# Altium PCB T1_Card.PcbDoc (part 5 of 6) (continued)
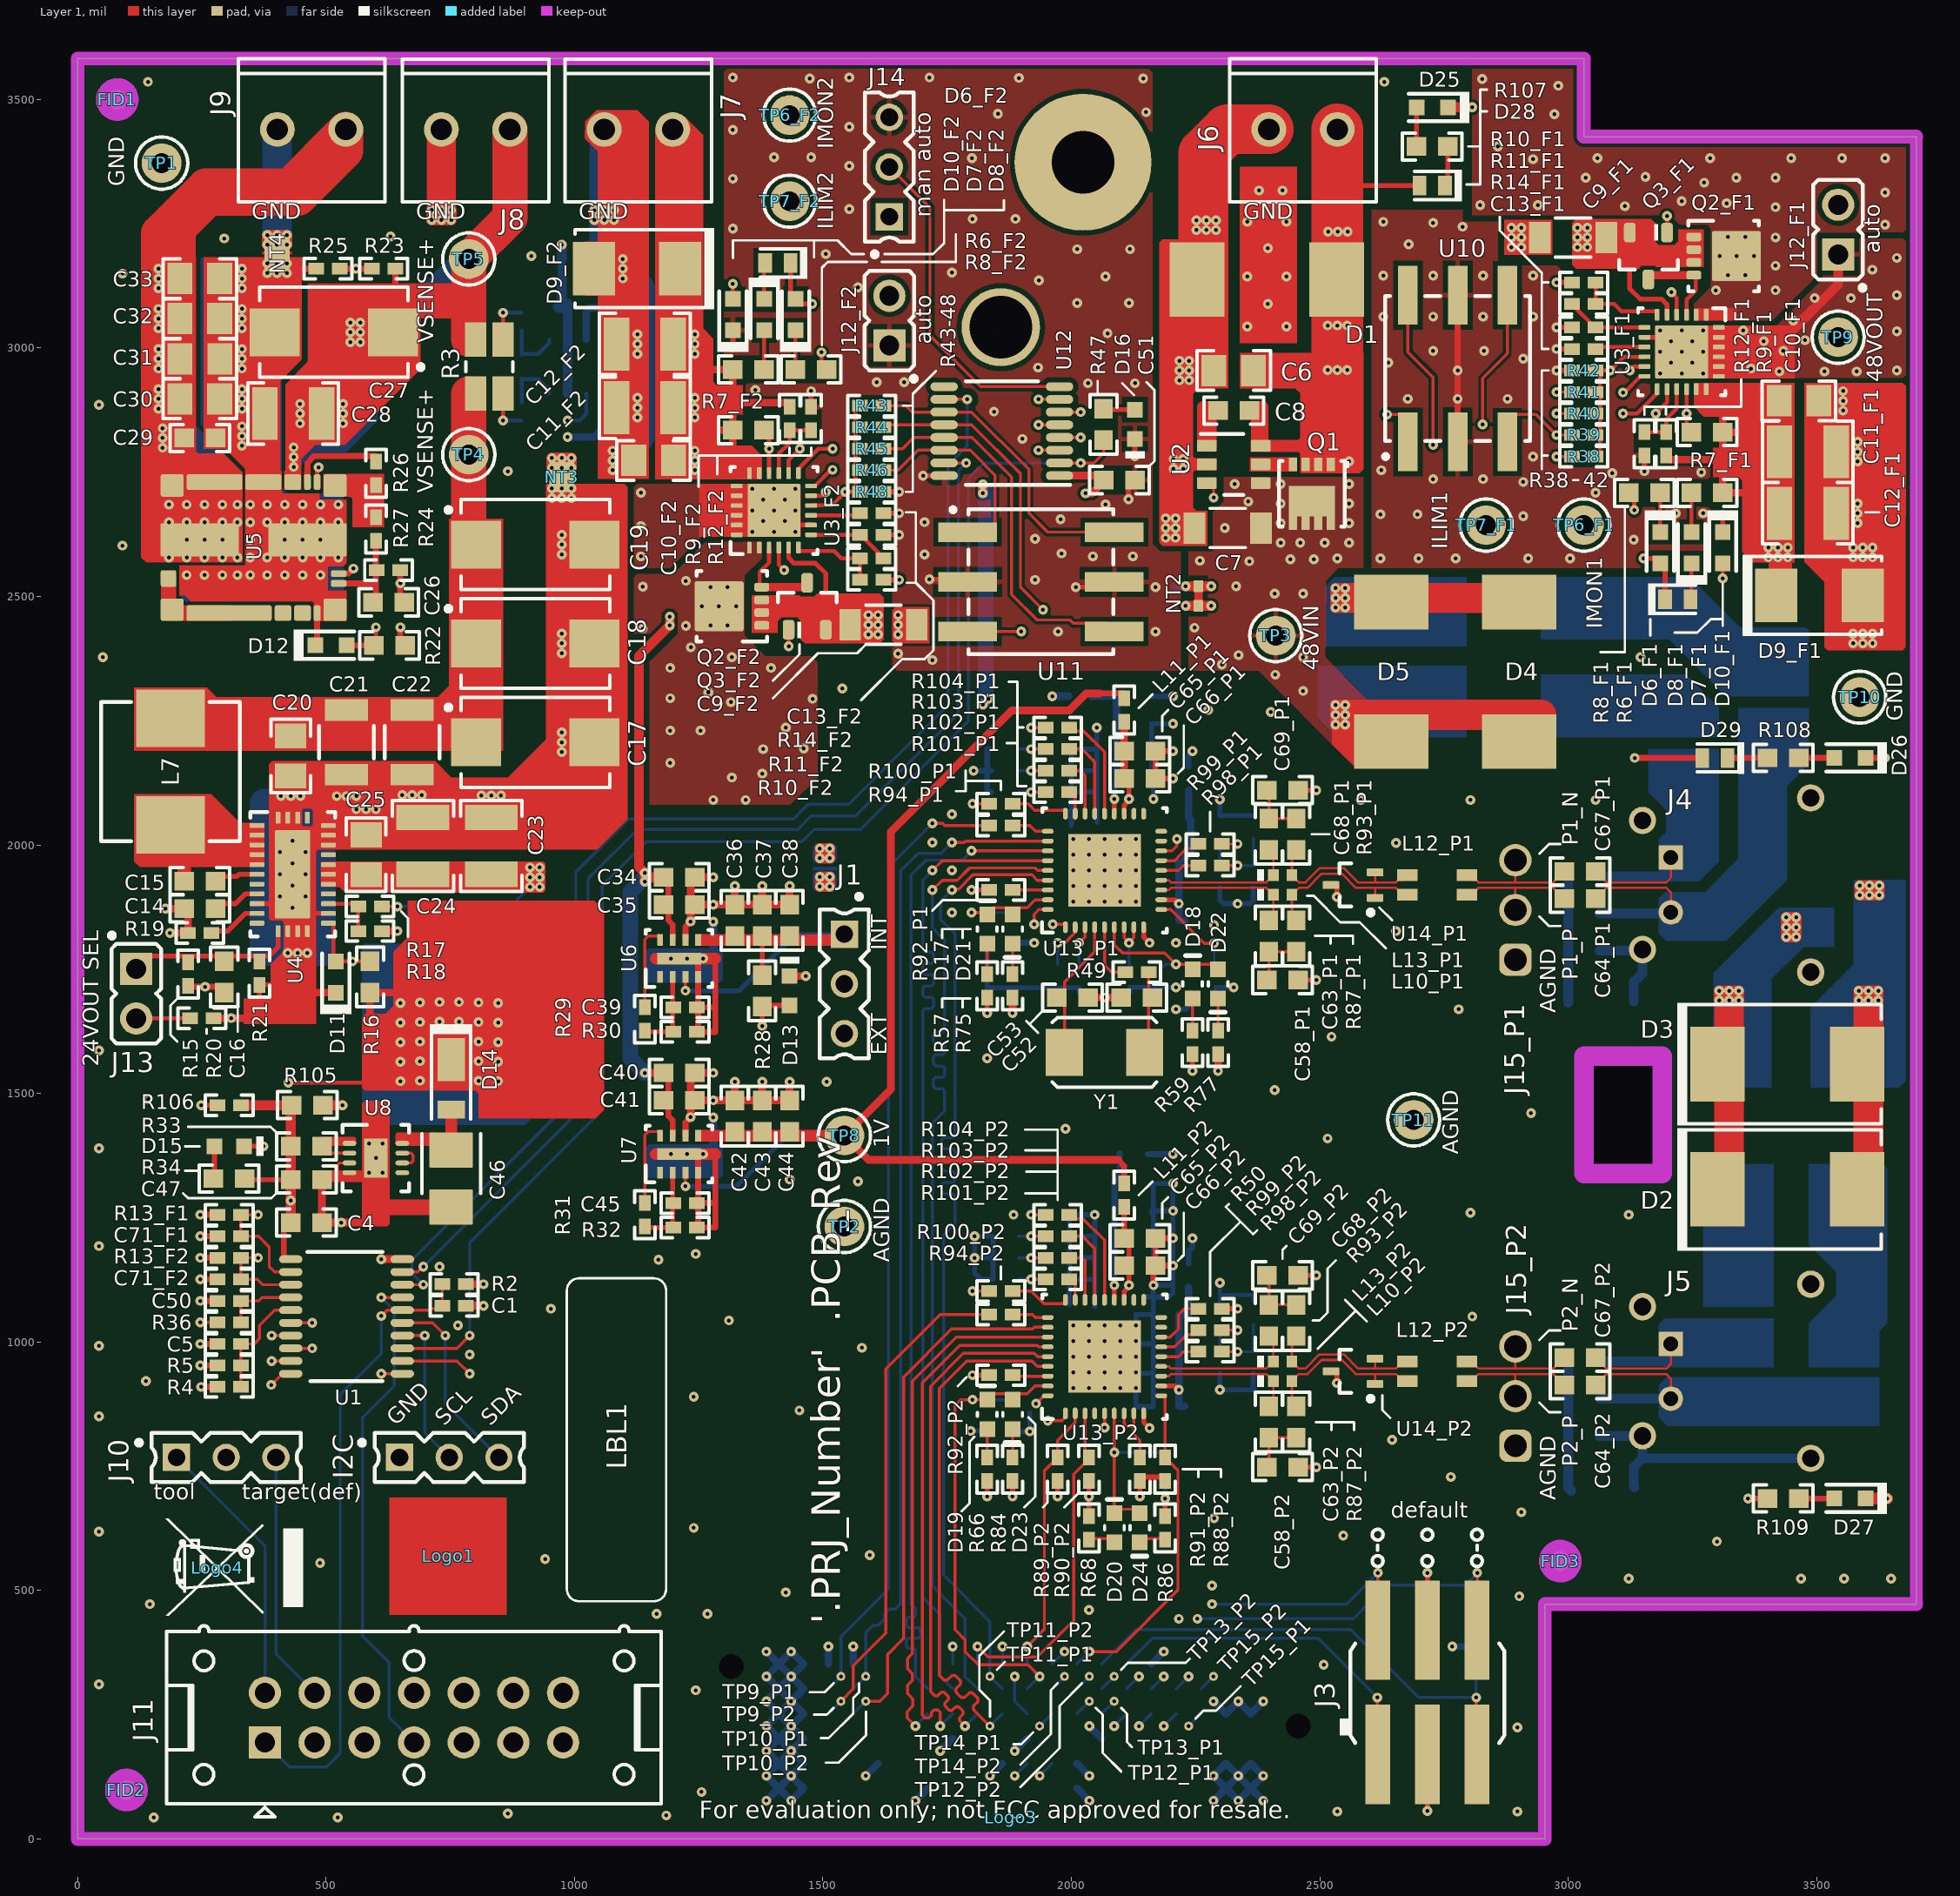
[diagram p0: Layer 1 view]
## Nets (pads, with @x,y where several pads share a name; then routed paths per layer and width w, separated by ;. In a path a pad name is that pad's centre, name@x,y a point inside that pad or via, vN(x,y) a via of type N, cw(c..) or ccw(c..) an arc to the next point about the centre after c; other vN are vias at no path point) (continued)
  Layer 6 w6: R62.1@1893.7,1125.98 v1(1919.29,1125.98) R80.2@1948.82,1125.98 R80.2@1952.76,1125.98 ; J2.17@2261.22,302 TP15_P2.1@2286.22,327
PRU0_MII_RX_D1_1: J2.22 R54.1 R72.2 R102_P1.1 | length 2637.7
  Layer 1 w6: v1(1919.29,2149.61) R102_P1.1@1948.82,2149.61
  Layer 3 w4.55: v1(1919.29,2149.61) 1793.31,2023.62 1751.97,2023.62 1740.16,2011.81 1740.16,1997.05 1677.17,1934.06 1677.17,357.28 1778.54,255.91 1941.93,255.91 2011.81,186.02 2145.24,186.02 v1(2186.22,227)
  Layer 6 w6: R54.1@1893.7,2149.61 v1(1919.29,2149.61) R72.2@1952.76,2149.61 ; v1(2186.22,227) J2.22@2211.22,252
PRU0_MII_RX_D1_2: J2.23 R63.1 R81.2 R102_P2.1 | length 1292.6
  Layer 1 w6: v1(1919.29,1169.29) R102_P2.1@1948.82,1169.29
  Layer 3 w4.55: v1(1919.29,1169.29) 1882.87,1132.87 1882.87,770.67 1922.24,731.3 1922.24,639.76 1939.47,622.54 1941.52,620.49 ccw(c1946.3,625.27) 1951.08,620.49 1954.25,623.67 cw(c1959.03,618.89) 1963.81,623.67 1967.91,619.57 cw(c1963.13,614.79) 1967.91,610.01 1964.73,606.83 ccw(c1969.51,602.05) 1964.73,597.27 1968.83,593.18 ccw(c1973.61,597.96) 1978.39,593.18 1981.57,596.35 cw(c1986.35,591.57) 1991.13,596.35 1995.22,592.25 cw(c1990.44,587.47) 1995.22,582.69 1992.05,579.52 ccw(c1996.83,574.74) 1992.05,569.96 1996.14,565.86 ccw(c2000.92,570.64) 2005.7,565.86 2008.88,569.04 cw(c2013.66,564.26) 2018.44,569.04 2022.54,564.94 cw(c2017.76,560.16) 2022.54,555.38 2019.36,552.21 ccw(c2024.14,547.43) 2019.36,542.65 2023.46,538.55 ccw(c2028.24,543.33) 2033.02,538.55 2036.19,541.72 cw(c2040.97,536.94) 2045.75,541.72 2049.85,537.63 cw(c2045.07,532.85) 2049.85,528.07 2046.68,524.89 ccw(c2051.46,520.11) 2046.68,515.33 2050.77,511.23 ccw(c2055.55,516.02) 2060.33,511.24 2063.51,514.41 cw(c2068.29,509.63) 2073.07,514.41 2077.16,510.31 cw(c2072.38,505.53) 2077.16,500.75 2073.99,497.58 ccw(c2078.77,492.8) 2073.99,488.02 2078.09,483.92 ccw(c2082.87,488.7) 2087.65,483.92 2090.82,487.1 cw(c2095.6,482.32) 2100.38,487.1 2104.48,483 cw(c2099.7,478.22) 2104.48,473.44 2101.3,470.26 ccw(c2106.08,465.48) 2101.3,460.7 2121.06,440.94 2158.46,403.54 2189.96,403.54 2212.83,380.68 2212.83,350.39 v1(2236.22,327)
  Layer 6 w6: R63.1@1893.7,1169.29 v1(1919.29,1169.29) R81.2@1948.82,1169.29 R81.2@1952.76,1169.29 ; J2.23@2211.22,302 v1(2236.22,327)
PRU0_MII_RX_D2_1: J2.28 R55.1 R73.2 R103_P1.1 | length 2583.7
  Layer 1 w6: v1(1919.29,2192.91) R103_P1.1@1948.82,2192.91
  Layer 3 w4.55: v1(1919.29,2192.91) 1943.9,2168.31 1943.9,2101.38 1802.66,1960.14 1792.82,1960.14 1784.45,1951.77 1784.45,1941.93 1771.65,1929.13 1750,1929.13 1740.16,1919.29 1740.16,1887.8 1708.66,1856.3 1708.66,366.14 1788.39,286.42 1947.83,286.42 2026.57,207.68 2047.24,207.68 2054.13,214.57 2064.85,214.57 2071.74,207.68 2116.9,207.68 v1(2136.22,227)
  Layer 6 w6: R55.1@1893.7,2192.91 v1(1919.29,2192.91) R73.2@1952.76,2192.91 ; v1(2136.22,227) J2.28@2161.22,252
PRU0_MII_RX_D2_2: J2.29 R64.1 R82.2 R103_P2.1 | length 1240.7
  Layer 1 w6: v1(1919.29,1212.6) R103_P2.1@1948.82,1212.6
  Layer 3 w4.55: v1(1919.29,1212.6) 1869.09,1162.4 1869.09,745.08 1902.56,711.61 1902.56,627.95 2058.07,472.44 2058.07,455.15 2074.52,438.7 2081.35,431.87 2091.84,421.39 cw(c2088.66,418.21) 2091.84,415.04 ccw(c2096.62,410.26) 2091.84,405.48 2095.93,401.38 ccw(c2100.71,406.16) 2105.49,401.38 2108.67,404.55 2114.86,410.74 cw(c2119.64,405.96) 2124.42,410.74 2128.51,406.65 cw(c2123.73,401.87) 2128.51,397.09 2122.32,390.9 2119.15,387.73 ccw(c2123.93,382.95) 2119.15,378.17 2123.25,374.07 ccw(c2128.03,378.85) 2132.81,374.07 2135.98,377.24 2142.17,383.43 cw(c2146.95,378.65) 2151.73,383.43 2155.83,379.33 cw(c2151.05,374.55) 2155.83,369.77 2154.42,368.36 ccw(c2159.2,363.58) 2154.42,358.8 2173.44,339.78 v1(2186.22,327)
  Layer 6 w6: R64.1@1893.7,1212.6 v1(1919.29,1212.6) R82.2@1948.82,1212.6 R82.2@1952.76,1212.6 ; J2.29@2161.22,302 v1(2186.22,327)
PRU0_MII_RX_D3_1: J2.34 R104_P1.1 | length 2476.7
  Layer 1 w6: v1(1919.29,2236.22) R104_P1.1@1948.82,2236.22
  Layer 3 w4.55: v1(1919.29,2236.22) 1957.68,2197.83 1957.68,2095.47 1779.53,1917.32 1779.53,1850.39 1724.41,1795.28 1724.41,371.06 1794.29,301.18 1957.68,301.18 1965.55,293.31 1976.38,293.31 1981.3,288.39 1981.3,277.56 1986.22,272.64 1997.05,272.64 2002.95,266.73 2002.95,255.91 2011.81,247.05 2066.17,247.05 v1(2086.22,227)
  Layer 6 w6: v1(2086.22,227) J2.34@2111.22,252
PRU0_MII_RX_D3_2: J2.35 R104_P2.1 | length 1135.8
  Layer 1 w6: v1(1919.29,1255.91) R104_P2.1@1948.82,1255.91
  Layer 3 w4.55: v1(1919.29,1255.91) 1856.3,1192.91 1856.3,606.92 v1(2136.22,327)
  Layer 6 w6: J2.35@2111.22,302 v1(2136.22,327)
PRU0_MII_RXDV1: J2.40 R51.1 R69.2 R99_P1.1 TP13_P1.1 | length 2678.5
  Layer 1 w6: R99_P1.1@2303.15,2001.97 v1(2334.65,2001.97)
  Layer 3 w4.55: TP13_P1.1@2086.22,277 2094.5,268.72 2098.46,264.76 2145.67,264.76 2154.53,273.62 2238.19,273.62 2270.67,241.14 2330.71,241.14 2355.32,265.75 2355.32,302.17 2368.11,314.96 2368.11,1132.87 2349.41,1151.57 2349.41,1162.4 2349.41,1168.46 ccw(c2343.35,1168.46) 2343.35,1174.52 2340.03,1174.52 cw(c2340.03,1180.58) 2333.97,1180.58 2333.97,1192.7 cw(c2340.03,1192.7) 2340.03,1198.75 2349.41,1198.75 2360.76,1198.75 ccw(c2360.76,1204.81) 2366.82,1204.81 2366.82,1216.93 ccw(c2360.76,1216.93) 2360.76,1222.99 2349.41,1222.99 2340.03,1222.99 cw(c2340.03,1229.05) 2333.97,1229.05 2333.97,1241.17 cw(c2340.03,1241.17) 2340.03,1247.23 2349.41,1247.23 2360.76,1247.23 ccw(c2360.76,1253.28) 2366.82,1253.28 2366.82,1265.4 ccw(c2360.76,1265.4) 2360.76,1271.46 2349.41,1271.46 2340.03,1271.46 cw(c2340.03,1277.52) 2333.97,1277.52 2333.97,1289.64 cw(c2340.03,1289.64) 2340.03,1295.7 2349.41,1295.7 2360.76,1295.7 ccw(c2360.76,1301.75) 2366.82,1301.75 2366.82,1313.87 ccw(c2360.76,1313.87) 2360.76,1319.93 2349.41,1319.93 2340.03,1319.93 cw(c2340.03,1325.99) 2333.97,1325.99 2333.97,1338.11 cw(c2340.03,1338.11) 2340.03,1344.17 2349.41,1344.17 2360.76,1344.17 ccw(c2360.76,1350.23) 2366.82,1350.23 2366.82,1362.34 ccw(c2360.76,1362.34) 2360.76,1368.4 2349.41,1368.4 2340.03,1368.4 cw(c2340.03,1374.46) 2333.97,1374.46 2333.97,1386.58 cw(c2340.03,1386.58) 2340.03,1392.64 2349.41,1392.64 2360.76,1392.64 ccw(c2360.76,1398.7) 2366.82,1398.7 2366.82,1410.81 ccw(c2360.76,1410.81) 2360.76,1416.87 2349.41,1416.87 2340.03,1416.87 cw(c2340.03,1422.93) 2333.97,1422.93 2333.97,1435.05 cw(c2340.03,1435.05) 2340.03,1441.11 2349.41,1441.11 2360.76,1441.11 ccw(c2360.76,1447.17) 2366.82,1447.17 2366.82,1459.29 ccw(c2360.76,1459.29) 2360.76,1465.34 2349.41,1465.34 2340.03,1465.34 cw(c2340.03,1471.4) 2333.97,1471.4 2333.97,1483.52 cw(c2340.03,1483.52) 2340.03,1489.58 2349.41,1489.58 2360.76,1489.58 ccw(c2360.76,1495.64) 2366.82,1495.64 2366.82,1507.76 ccw(c2360.76,1507.76) 2360.76,1513.81 2349.41,1513.81 2340.03,1513.81 cw(c2340.03,1519.87) 2333.97,1519.87 2333.97,1531.99 cw(c2340.03,1531.99) 2340.03,1538.05 2349.41,1538.05 2360.76,1538.05 ccw(c2360.76,1544.11) 2366.82,1544.11 2366.82,1556.23 ccw(c2360.76,1556.23) 2360.76,1562.29 2349.41,1562.29 2340.03,1562.29 cw(c2340.03,1568.34) 2333.97,1568.34 2333.97,1580.46 cw(c2340.03,1580.46) 2340.03,1586.52 2343.35,1586.52 ccw(c2343.35,1592.58) 2349.41,1592.58 2349.41,1699.8 2349.41,1812.01 2313.98,1847.44 2313.98,1981.3 v1(2334.65,2001.97)
  Layer 6 w6: J2.40@2061.22,252 TP13_P1.1@2086.22,277 ; R69.2@2299.21,1962.6 2299.21,2001.97 v1(2334.65,2001.97)
PRU0_MII_RXDV2: J2.41 R60.1 R78.2 R99_P2.1 TP13_P2.1 | length 1333.7
  Layer 1 w6: R99_P2.1@2303.15,1023.62 v1(2334.65,1023.62)
  Layer 3 w4.55: TP13_P2.1@2086.22,327 2108.04,327 2126.54,308.5 2298.66,308.5 2311.02,320.87 2311.02,343.5 2303.15,351.38 2303.15,371.06 2311.02,378.94 2311.02,391.73 2304.13,398.62 2304.13,418.31 2311.02,425.2 2311.02,536.42 2257.87,589.57 2257.87,624.02 2257.87,628.86 ccw(c2250.6,628.86) 2250.6,636.13 2239.86,636.13 cw(c2239.86,643.4) 2232.59,643.4 2232.59,653.1 cw(c2239.86,653.1) 2239.86,660.37 2257.87,660.37 2267.03,660.37 ccw(c2267.03,667.64) 2274.3,667.64 2274.3,677.33 ccw(c2267.03,677.33) 2267.03,684.6 2257.87,684.6 2239.86,684.6 cw(c2239.86,691.87) 2232.59,691.87 2232.59,701.57 cw(c2239.86,701.57) 2239.86,708.84 2257.87,708.84 2267.03,708.84 ccw(c2267.03,716.11) 2274.3,716.11 2274.3,725.8 ccw(c2267.03,725.8) 2267.03,733.07 2257.87,733.08 2239.86,733.08 cw(c2239.86,740.35) 2232.59,740.35 2232.59,750.04 cw(c2239.86,750.04) 2239.86,757.31 2250.6,757.31 ccw(c2250.6,764.58) 2257.87,764.58 2257.87,795.28 2257.87,827.76 2318.9,888.78 2318.9,929.13 2312.01,936.02 2312.01,1000.98 v1(2334.65,1023.62)
  Layer 6 w6: J2.41@2061.22,302 TP13_P2.1@2086.22,327 ; R78.2@2299.21,984.25 2299.21,1023.62 v1(2334.65,1023.62)
PRU0_MII_RXER1: J2.46 R52.1 R70.2 R98_P1.1 TP12_P1.1 | length 2692.6
  Layer 1 w6: R98_P1.1@2305.12,1958.66 v1(2334.65,1958.66)
  Layer 3 w4.55: TP12_P1.1@2036.22,277 2055.68,277 2081.69,250.98 2150.59,250.98 2159.45,259.84 2231.3,259.84 2263.78,227.36 2339.57,227.36 2367.13,254.92 2367.13,289.37 2381.89,304.13 2381.89,316.25 2381.89,334.43 cw(c2387.95,334.43) 2387.95,340.49 2398.16,340.49 ccw(c2398.16,346.55) 2404.22,346.55 2404.22,358.66 ccw(c2398.16,358.66) 2398.16,364.72 2387.95,364.72 cw(c2387.95,370.78) 2381.89,370.78 2381.89,382.9 cw(c2387.95,382.9) 2387.95,388.96 2398.16,388.96 ccw(c2398.16,395.02) 2404.22,395.02 2404.22,407.13 ccw(c2398.16,407.13) 2398.16,413.19 2387.95,413.19 cw(c2387.95,419.25) 2381.89,419.25 2381.89,431.37 cw(c2387.95,431.37) 2387.95,437.43 2398.16,437.43 ccw(c2398.16,443.49) 2404.22,443.49 2404.22,455.61 ccw(c2398.16,455.61) 2398.16,461.66 2387.95,461.66 cw(c2387.95,467.72) 2381.89,467.72 2381.89,479.84 cw(c2387.95,479.84) 2387.95,485.9 2398.16,485.9 ccw(c2398.16,491.96) 2404.22,491.96 2404.22,504.08 ccw(c2398.16,504.08) 2398.16,510.13 2387.95,510.13 cw(c2387.95,516.19) 2381.89,516.19 2381.89,528.31 cw(c2387.95,528.31) 2387.95,534.37 2398.16,534.37 ccw(c2398.16,540.43) 2404.22,540.43 2404.22,552.55 ccw(c2398.16,552.55) 2398.16,558.61 2387.95,558.61 cw(c2387.95,564.66) 2381.89,564.66 2381.89,576.78 cw(c2387.95,576.78) 2387.95,582.84 2398.16,582.84 ccw(c2398.16,588.9) 2404.22,588.9 2404.22,601.02 ccw(c2398.16,601.02) 2398.16,607.08 2387.95,607.08 cw(c2387.95,613.14) 2381.89,613.14 2381.89,625.25 cw(c2387.95,625.25) 2387.95,631.31 2398.16,631.31 ccw(c2398.16,637.37) 2404.22,637.37 2404.22,649.49 ccw(c2398.16,649.49) 2398.16,655.55 2387.95,655.55 cw(c2387.95,661.61) 2381.89,661.61 2381.89,673.72 cw(c2387.95,673.72) 2387.95,679.78 2398.16,679.78 ccw(c2398.16,685.84) 2404.22,685.84 2404.22,697.96 ccw(c2398.16,697.96) 2398.16,704.02 2387.95,704.02 cw(c2387.95,710.08) 2381.89,710.08 2381.89,722.19 cw(c2387.95,722.19) 2387.95,728.25 2398.16,728.25 ccw(c2398.16,734.31) 2404.22,734.31 2404.22,746.43 ccw(c2398.16,746.43) 2398.16,752.49 2387.95,752.49 cw(c2387.95,758.55) 2381.89,758.55 2381.89,770.67 cw(c2387.95,770.67) 2387.95,776.72 2398.16,776.72 ccw(c2398.16,782.78) 2404.22,782.78 2404.22,794.9 ccw(c2398.16,794.9) 2398.16,800.96 2387.95,800.96 cw(c2387.95,807.02) 2381.89,807.02 2381.89,819.14 cw(c2387.95,819.14) 2387.95,825.19 2398.16,825.19 ccw(c2398.16,831.25) 2404.22,831.25 2404.22,843.37 ccw(c2398.16,843.37) 2398.16,849.43 2387.95,849.43 cw(c2387.95,855.49) 2381.89,855.49 2381.89,867.61 cw(c2387.95,867.61) 2387.95,873.67 2398.16,873.67 ccw(c2398.16,879.72) 2404.22,879.72 2404.22,891.84 ccw(c2398.16,891.84) 2398.16,897.9 2387.95,897.9 cw(c2387.95,903.96) 2381.89,903.96 2381.89,916.08 cw(c2387.95,916.08) 2387.95,922.14 2398.16,922.14 ccw(c2398.16,928.2) 2404.22,928.2 2404.22,940.31 ccw(c2398.16,940.31) 2398.16,946.37 2387.95,946.37 cw(c2387.95,952.43) 2381.89,952.43 2381.89,1012.8 2381.89,1911.42 v1(2334.65,1958.66)
  Layer 6 w6: J2.46@2011.22,252 TP12_P1.1@2036.22,277 ; v1(2334.65,1958.66) R70.2@2366.14,1958.66 ; R70.2@2366.14,1962.6 R52.1@2366.14,2011.81 R52.1@2366.14,2013.78
PRU0_MII_RXER2: J2.47 R61.1 R79.2 R98_P2.1 TP12_P2.1 | length 1352.3
  Layer 1 w6: R98_P2.1@2305.12,980.31 v1(2334.65,980.31)
  Layer 3 w4.55: TP12_P2.1@2036.22,327 2057.84,327 2076.34,308.5 2107.84,308.5 2118.39,297.95 2310.75,297.95 2328.74,315.94 2328.74,567.22 2328.74,571.87 ccw(c2321.76,571.87) 2321.76,578.85 2311.42,578.85 cw(c2311.42,585.82) 2304.44,585.82 2304.44,595.12 cw(c2311.42,595.12) 2311.42,602.1 2321.76,602.1 ccw(c2321.76,609.07) 2328.74,609.07 2328.74,618.37 ccw(c2321.76,618.37) 2321.76,625.35 2312.16,625.35 cw(c2312.16,632.33) 2305.19,632.33 2305.19,641.63 cw(c2312.16,641.63) 2312.16,648.6 2321.76,648.6 ccw(c2321.76,655.58) 2328.74,655.58 2328.74,664.88 ccw(c2321.76,664.88) 2321.76,671.85 2311.42,671.85 cw(c2311.42,678.83) 2304.44,678.83 2304.44,688.13 cw(c2311.42,688.13) 2311.42,695.1 2321.76,695.1 ccw(c2321.76,702.08) 2328.74,702.08 2328.74,711.38 ccw(c2321.76,711.38) 2321.76,718.35 2311.42,718.35 cw(c2311.42,725.33) 2304.44,725.33 2304.44,734.63 cw(c2311.42,734.63) 2311.42,741.61 2321.76,741.61 ccw(c2321.76,748.58) 2328.74,748.58 2328.74,757.88 ccw(c2321.76,757.88) 2321.76,764.86 2311.42,764.86 cw(c2311.42,771.83) 2304.44,771.83 2304.44,781.13 cw(c2311.42,781.13) 2311.42,788.11 2321.76,788.11 ccw(c2321.76,795.08) 2328.74,795.08 2328.74,804.38 ccw(c2321.76,804.38) 2321.76,811.36 2311.42,811.36 cw(c2311.42,818.33) 2304.44,818.33 2304.44,827.63 cw(c2311.42,827.63) 2311.42,834.61 2322.8,834.61 ccw(c2322.8,840.55) 2328.74,840.55 2328.74,848.43 2334.65,854.33 2334.65,863.19 2330.71,867.13 2330.71,875 2334.65,878.94 v1(2334.65,980.31)
  Layer 6 w6: J2.47@2011.22,302 TP12_P2.1@2036.22,327 ; v1(2334.65,980.31) 2366.14,980.31 R79.2@2366.14,984.25 R61.1@2366.14,1035.43
PRU0_MII_RXLINK1: D17.2 D21.1 J2.58 R56.1 R74.2 U13_P1.35 | length 1998.9
  Layer 1 w6: v1(1799.21,1864.17) D17.2@1828.74,1864.17 ; D17.2@1842.52,1874.02 1911.42,1874.02 1927.17,1889.76 U13_P1.35@1952.76,1889.76
  Layer 3 w4.55: v1(1799.21,1864.17) 1799.21,1836.61 1739.22,1776.62 1739.22,378.89 1760.83,357.28 1855.94,357.28 v1(1886.22,327)
  Layer 6 w4.55: v1(1799.21,1864.17) 1881.89,1864.17 R74.2@1881.89,1858.27
  Layer 6 w6: v1(1886.22,327) 1886.22,277 J2.58@1911.22,252
PRU0_MII_RXLINK2: D19.2 D23.1 J2.59 R65.1 R83.2 U13_P2.35 | length 994.3
  Layer 1 w6: v1(1936.22,327) 1912.83,350.39 1812.99,350.39 1786.42,376.97 1786.42,400.59 1765.75,421.26 1765.75,872.05 1777.56,883.86 v1(1801.18,883.86) D19.2@1830.71,883.86 1842.52,895.67 1911.42,895.67 1927.17,911.42 U13_P2.35@1952.76,911.42
  Layer 6 w6: v1(1801.18,883.86) R83.2@1882.72,883.86 ; J2.59@1911.22,302 v1(1936.22,327)
PRU0_MII_TX_CLK1: J2.107 R94_P1.1 TP9_P1.1 | length 1943.8
  Layer 1 w6: v1(1720.47,2043.31) 1741.14,2043.31 1745.08,2039.37 R94_P1.1@1834.65,2039.37
  Layer 6 w6: J2.107@1511.22,302 TP9_P1.1@1536.22,327 1536.22,407.28 1631.89,502.95 1631.89,1846.46 1631.89,1954.72 v1(1720.47,2043.31)
PRU0_MII_TX_CLK2: J2.106 R94_P2.1 TP9_P2.1 | length 1002.6
  Layer 1 w6: TP9_P2.1@1536.22,277 1561.22,302 1561.22,348.62 1626.97,414.37 1626.97,945.87 1736.22,1055.12 R94_P2.1@1834.65,1055.12 R94_P2.1@1842.52,1055.12
  Layer 6 w6: J2.106@1511.22,252 TP9_P2.1@1536.22,277
PRU0_MII_TX_D0_1: J2.65 TP11_P1.1 U13_P1.33 | length 2021
  Layer 1 w6: v1(1759.84,1909.45) 1761.81,1911.42 1773.62,1911.42 1802.17,1939.96 1920.91,1939.96 1931.73,1929.13 U13_P1.33@1952.76,1929.13
  Layer 6 w6: v1(1759.84,1909.45) 1737.2,1886.81 1737.2,1850.39 1765.75,1821.85 1765.75,1445.87 1765.75,1434.5 1765.75,1418.59 cw(c1758.93,1418.59) 1758.93,1411.77 1746.05,1411.77 ccw(c1746.05,1404.95) 1739.23,1404.95 1739.23,1395.85 ccw(c1746.05,1395.85) 1746.05,1389.03 1758.93,1389.03 cw(c1758.93,1382.22) 1765.75,1382.22 1765.75,1373.12 cw(c1758.93,1373.12) 1758.93,1366.3 1746.05,1366.3 ccw(c1746.05,1359.48) 1739.23,1359.48 1739.23,1350.39 ccw(c1746.05,1350.39) 1746.05,1343.57 1758.93,1343.57 cw(c1758.93,1336.75) 1765.75,1336.75 1765.75,1327.66 cw(c1758.93,1327.66) 1758.93,1320.84 1746.05,1320.84 ccw(c1746.05,1314.02) 1739.23,1314.02 1739.23,1304.92 ccw(c1746.05,1304.92) 1746.05,1298.1 1758.93,1298.1 cw(c1758.93,1291.29) 1765.75,1291.29 1765.75,1270.67 1765.75,1238.19 1743.11,1215.55 1743.11,530.51 1836.22,437.4 TP11_P1.1@1836.22,327 J2.65@1861.22,302
PRU0_MII_TX_D0_2: J2.64 TP11_P2.1 U13_P2.33 | length 1067.8
  Layer 1 w6: TP11_P2.1@1836.22,227 1820.49,242.73 1816.9,246.32 1804.68,258.55 cw(c1809.91,263.79) 1804.68,269.02 1810.17,274.52 ccw(c1804.93,279.76) 1810.17,285 1803.18,291.98 ccw(c1797.94,286.74) 1792.7,291.98 1787.21,286.49 cw(c1781.97,291.73) 1776.73,286.49 1769.74,293.48 cw(c1774.98,298.72) 1769.74,303.96 1775.24,309.45 ccw(c1770,314.69) 1775.24,319.93 1768.25,326.92 ccw(c1763.01,321.68) 1757.77,326.92 1752.28,321.42 cw(c1747.04,326.66) 1741.8,321.42 1738.3,324.92 1734.25,328.97 1734.25,906.5 1789.37,961.61 1920.91,961.61 1931.73,950.79 U13_P2.33@1952.76,950.79
  Layer 6 w6: TP11_P2.1@1836.22,227 J2.64@1861.22,252
PRU0_MII_TX_D1_1: J2.71 U13_P1.32 | length 2019.5
  Layer 1 w6: v1(1720.47,1909.45) 1740.16,1929.13 1770.67,1929.13 1795.28,1953.74 1927.17,1953.74 1932.09,1948.82 U13_P1.32@1952.76,1948.82
  Layer 6 w6: v1(1720.47,1909.45) 1720.47,1833.66 1745.08,1809.06 1745.08,1657.48 1745.08,1646.11 1745.08,1630.2 cw(c1738.26,1630.2) 1738.26,1623.38 1729.15,1623.38 ccw(c1729.15,1616.56) 1722.33,1616.56 1722.33,1607.47 ccw(c1729.15,1607.47) 1729.15,1600.65 1738.26,1600.65 cw(c1738.26,1593.83) 1745.08,1593.83 1745.08,1584.74 cw(c1738.26,1584.74) 1738.26,1577.92 1729.15,1577.92 ccw(c1729.15,1571.1) 1722.33,1571.1 1722.33,1562 ccw(c1729.15,1562) 1729.15,1555.18 1738.26,1555.18 cw(c1738.26,1548.36) 1745.08,1548.36 1745.08,1539.27 cw(c1738.26,1539.27) 1738.26,1532.45 1729.15,1532.45 ccw(c1729.15,1525.63) 1722.33,1525.63 1722.33,1516.54 ccw(c1729.15,1516.54) 1729.15,1509.72 1738.26,1509.72 cw(c1738.26,1502.9) 1745.08,1502.9 1745.08,1473.43 1745.08,1464.57 1720.47,1439.96 1720.47,508.86 1786.22,443.11 1786.22,327 J2.71@1811.22,302
PRU0_MII_TX_D1_2: J2.70 U13_P2.32 | length 1066.5
  Layer 1 w6: v1(1786.22,227) 1776.48,236.74 cw(c1780.88,241.15) 1776.48,245.55 1780.59,249.66 ccw(c1776.19,254.07) 1780.59,258.47 1774.72,264.35 ccw(c1770.31,259.94) 1765.91,264.35 1761.8,260.23 cw(c1757.39,264.64) 1752.99,260.23 1747.11,266.11 cw(c1751.52,270.51) 1747.11,274.92 1751.23,279.03 ccw(c1746.82,283.43) 1751.23,287.84 1745.35,293.71 ccw(c1740.95,289.31) 1736.54,293.71 1732.43,289.6 cw(c1728.03,294) 1723.62,289.6 1720.68,292.54 1716.54,296.68 1716.54,911.05 1782.85,977.36 1925.2,977.36 1932.09,970.47 U13_P2.32@1952.76,970.47
  Layer 6 w6: v1(1786.22,227) J2.70@1811.22,252
PRU0_MII_TX_D2_1: J2.77 U13_P1.31 | length 2019.5
  Layer 1 w6: v1(1720.47,1948.82) 1740.16,1968.5 1825.79,1968.5 U13_P1.31@1952.76,1968.5
  Layer 6 w6: v1(1720.47,1948.82) 1700.79,1929.13 1700.79,1838.58 1700.79,1791.39 ccw(c1707.61,1791.39) 1707.61,1784.57 1716.32,1784.57 cw(c1716.32,1777.75) 1723.14,1777.75 1723.14,1768.66 cw(c1716.32,1768.66) 1716.32,1761.84 1707.61,1761.84 ccw(c1707.61,1755.02) 1700.79,1755.02 1700.79,1745.93 ccw(c1707.61,1745.93) 1707.61,1739.11 1716.32,1739.11 cw(c1716.32,1732.29) 1723.14,1732.29 1723.14,1723.19 cw(c1716.32,1723.19) 1716.32,1716.37 1707.61,1716.37 ccw(c1707.61,1709.55) 1700.79,1709.55 1700.79,1700.46 ccw(c1707.61,1700.46) 1707.61,1693.64 1716.32,1693.64 cw(c1716.32,1686.82) 1723.14,1686.82 1723.14,1677.73 cw(c1716.32,1677.73) 1716.32,1670.91 1707.61,1670.91 ccw(c1707.61,1664.09) 1700.79,1664.09 1700.79,1648.18 1700.79,1636.81 1700.79,1500.98 1700.79,486.22 1736.22,450.79 1736.22,327 J2.77@1761.22,302
PRU0_MII_TX_D2_2: J2.76 U13_P2.31 | length 1067.6
  Layer 1 w6: v1(1736.22,227) 1736.22,254.92 1731.49,259.66 1723.43,259.66 1718.5,254.73 1718.5,248.83 1713.58,243.91 1704.72,243.91 1700,248.63 1700,917.52 1775.59,993.11 1931.1,993.11 1934.06,990.16 U13_P2.31@1952.76,990.16
  Layer 6 w6: v1(1736.22,227) J2.76@1761.22,252
PRU0_MII_TX_D3_1: J2.83 U13_P1.30 | length 2019.5
  Layer 1 w6: v1(1799.21,1988.19) U13_P1.30@1952.76,1988.19
  Layer 6 w6: J2.83@1711.22,302 1686.22,327 1686.22,373.03 1686.22,377.18 ccw(c1679.99,377.18) 1679.99,383.41 1674.06,383.41 cw(c1674.06,389.64) 1667.83,389.64 1667.83,397.95 cw(c1674.06,397.95) 1674.06,404.18 1686.22,404.18 1690.11,404.18 ccw(c1690.11,410.41) 1696.34,410.41 1696.34,418.71 ccw(c1690.11,418.71) 1690.11,424.94 1686.22,424.94 1674.06,424.94 cw(c1674.06,431.17) 1667.83,431.17 1667.83,439.48 cw(c1674.06,439.48) 1674.06,445.71 1679.99,445.71 ccw(c1679.99,451.93) 1686.22,451.93 1686.22,462.6 1686.22,463.39 1677.17,472.44 1677.17,535.43 1677.16,1890.51 1677.16,1938.98 1707.68,1969.49 1780.51,1969.49 v1(1799.21,1988.19)
PRU0_MII_TX_D3_2: J2.82 U13_P2.30 | length 1067.7
  Layer 1 w6: v1(1686.22,227) 1669.29,243.93 1669.29,255.91 1681.1,267.72 1681.1,281.5 1670.28,292.32 1670.28,309.06 1680.31,319.09 1680.31,332.48 1670.28,342.52 1670.28,363.19 1680.31,373.23 1680.31,921.46 1768.7,1009.84 U13_P2.30@1952.76,1009.84
  Layer 6 w6: v1(1686.22,227) J2.82@1711.22,252
PRU0_MII_TX_EN1: J2.101 TP10_P1.1 U13_P1.29 | length 2019.7
  Layer 1 w6: v1(1759.84,2004.92) 1784.45,2004.92 1787.4,2007.87 U13_P1.29@1952.76,2007.87
  Layer 6 w6: J2.101@1561.22,302 TP10_P1.1@1586.22,327 1586.61,327.39 1586.61,415.35 1601.38,430.12 1612.2,430.12 1624.02,441.93 1624.02,452.76 1633.86,462.6 1645.67,462.6 1656.5,473.43 1656.5,485.24 1656.5,1890.75 1656.5,1947.83 1691.93,1983.27 1738.19,1983.27 v1(1759.84,2004.92)
PRU0_MII_TX_EN2: J2.100 TP10_P2.1 U13_P2.29 | length 1067.6
  Layer 1 w6: TP10_P2.1@1586.22,277 1614.6,277 1629.92,292.32 1629.92,371.06 1662.4,403.54 1662.4,929.13 1759.27,1026 1922.65,1026 1926.18,1029.53 U13_P2.29@1952.76,1029.53
  Layer 6 w6: J2.100@1561.22,252 TP10_P2.1@1586.22,277
RCK: U1.18 U12.10 | length 2586.7
  Layer 1 w6: U1.18@653.54,1115.16 656.34,1112.36 659.13,1115.16 v1(695.87,1115.16) ; U12.10@1744.09,2896.65 v1(1790.35,2896.65)
  Layer 6 w6: v1(695.87,1115.16) 673.23,1137.8 673.23,1165.35 1002.95,1495.08 1002.95,1945.87 1109.25,2052.17 1440.94,2052.17 1470.47,2081.69 1552.17,2081.69 1751.97,2281.5 1751.97,2763.78 1790.35,2802.17 v1(1790.35,2896.65)
RST: C1.1 J11.1 R2.1 U1.16 | length 1272.3
  Layer 1 w6: v1(611.22,1052.17) 623.03,1063.98 U1.16@653.54,1063.98 707.68,1063.98 710.63,1066.93 728.35,1066.93 C1.1@734.25,1072.83 R2.1@734.25,1116.14
  Layer 6 w6: J11.1@377.17,194.09 426.57,144.68 500.98,144.68 528.54,172.24 528.54,893.7 611.22,976.38 v1(611.22,1052.17)
SER_IN: R47.2 U1.13 U12.2 | length 2887.1
  Layer 1 w6: U1.13@653.54,987.2 763.78,987.2 v1(789.37,1012.8) ; U12.2@1976.38,2768.7 v1(2018.7,2768.7) 2045.28,2768.7 2064.96,2788.39 R47.2@2064.96,2814.96
  Layer 6 w6: v1(789.37,1012.8) 789.37,1199.8 1056.1,1466.54 1056.1,1918.31 1144.69,2006.89 1457.68,2006.89 1482.28,2031.5 1575.79,2031.5 1793.31,2249.02 1793.31,2738.19 1823.82,2768.7 v1(2018.7,2768.7)
SHDN1: U1.6 U3_F1.12 | length 3869.2
  Layer 1 w6: U1.6@429.13,1038.39 v1(472.44,1038.39)
  Layer 1 w8: v1@3113.19,2910.43 3145.67,2942.91 U3_F1.12@3153.54,2942.91
  Layer 3 w6: v1(472.44,1038.39) 472.44,1062.99 603.35,1193.9 885.83,1193.9 1047.24,1355.31 1047.24,1716.54 1166.34,1835.63 1166.34,1958.07 1256.5,2048.23 1502.95,2048.23 1853.35,2398.62 2245.08,2398.62 2401.57,2555.12 2494.09,2555.12 2834.65,2555.12 3064.96,2785.43 3064.96,2889.76 3085.63,2910.43 v1(3110.24,2910.43)
SHDN2: U1.7 U3_F2.12 | length 2466.3
  Layer 1 w6: v1(390.75,1012.8) U1.7@429.13,1012.8
  Layer 1 w8: U3_F2.12@1476.38,2722.44 1484.25,2722.44 v1@1516.73,2754.92
  Layer 3 w6: v1(390.75,1012.8) 592.52,1214.57 873.03,1214.57 1022.64,1364.17 1022.64,1732.28 1108.27,1817.91 1108.27,1966.54 1485.24,2343.5 1485.24,2720.47 v1(1519.69,2754.92)
SRCK: U1.19 U12.15 | length 2402.3
  Layer 1 w6: U1.19@653.54,1140.75 685.04,1140.75 v1(695.87,1151.57) ; U12.15@1744.09,2768.7 v1(1788.39,2768.7)
  Layer 6 w6: v1(695.87,1151.57) 1027.56,1483.27 1027.56,1932.09 1126.97,2031.5 1449.8,2031.5 1476.38,2058.07 1565.94,2058.07 1772.64,2264.76 1772.64,2752.95 v1(1788.39,2768.7)
TEST: J11.7 U1.17 | length 1018.1
  Layer 1 w6: v1(611.22,1089.57) U1.17@653.54,1089.57
  Layer 6 w6: v1(611.22,1089.57) 637.8,1062.99 637.8,911.42 573.82,847.44 573.82,408.46 626.97,355.31 626.97,244.29 J11.7@677.17,194.09
U12_3V3: C51.1 J14.1 R105.1 U12.1 U12.7 | length 3986.6
  Layer 1 w6: v1(1934.06,2896.65) U12.7@1976.38,2896.65
  Layer 1 w15.75: U12.1@1976.38,2743.11 2053.15,2743.11 2053.15,2719.49 2041.34,2707.68 v1(2028.54,2707.68)
  Layer 1 w19.68: R105.1@494.09,1476.38 v1(533.46,1476.38) ; v1(1821.85,2707.68) v1(1821.85,2725.39)
  Layer 2 w19.68: v1(1821.85,2707.68) v1(1821.85,2725.39)
  Layer 4 w19.68: J14.1@1633.86,3264.17 1723.43,3174.61 1723.43,2774.61 1790.35,2707.68 v1(1821.85,2707.68) 1975.39,2707.68 ; v1(1934.06,2896.65) 1975.39,2855.31 1975.39,2707.68 ; v1(2028.54,2707.68) 1975.39,2707.68
  Layer 4 w23.62: v1(533.46,1476.38) 948.82,1476.38 1102.36,1629.92 1102.36,1837.6 1292.32,2027.56 1566.93,2027.56 v1(1821.85,2282.48) v1(1833.66,2294.29)
  Layer 5 w19.68: v1(1821.85,2707.68) v1(1821.85,2725.39)
  Layer 6 w19.68: v1(1821.85,2282.48) v1(1821.85,2707.68) v1(1821.85,2725.39) 1833.66,2713.58 v1(1833.66,2294.29) v1(1821.85,2282.48)
VDDIO_P1: C54_P1.1 C55_P1.1 C56_P1.1 C57_P1.1 L8_P1.2 R92_P1.1 U13_P1.22 | length 699.7
  Layer 1 w9.5: U13_P1.22@2086.61,2062.99 v1(2086.61,2092.52)
  Layer 1 w10: v1(1799.21,1909.45) 1832.68,1909.45 R92_P1.1@1834.65,1911.42
  Layer 3 w19.68: v1(1799.21,1909.45) 1823.82,1909.45 ; 2048.23,2092.52 v1(2086.61,2092.52)
  Layer 3 w31.5: 1823.82,1909.45 2006.89,2092.52 2048.23,2092.52
  Layer 6 w11.81: v1(2086.61,2092.52) 2086.61,2122.85 C57_P1.1@2091.54,2127.77
  Layer 6 w15.75: L8_P1.2@2041.34,2299.21 C54_P1.1@2091.54,2299.21 ; C57_P1.1@2091.54,2127.77 2091.54,2244.09 C54_P1.1@2091.54,2299.21 ; C54_P1.1@2091.54,2304.13 C54_P1.1@2091.54,2299.21 ; C54_P1.1@2098.43,2299.21 C54_P1.1@2091.54,2299.21
VDDIO_P2: C54_P2.1 C55_P2.1 C56_P2.1 C57_P2.1 L8_P2.2 R92_P2.1 U13_P2.22 | length 693.7
  Layer 1 w9.5: U13_P2.22@2086.61,1084.65 v1(2086.61,1114.17)
  Layer 1 w10: v1(1801.18,933.07) R92_P2.1@1834.65,933.07
  Layer 4 w19.68: v1(1801.18,933.07) 1950.79,1082.68 2055.12,1082.68 v1(2086.61,1114.17)
  Layer 6 w11.81: v1(2086.61,1114.17) 2086.61,1318.9 2097.44,1329.72 L8_P2.2@2097.44,1379.92
XI1: R49.1 U13_P1.5 | length 123.8
  Layer 1 w6: U13_P1.5@2066.93,1834.65 2066.93,1757.87 2080.71,1744.09 R49.1@2108.27,1744.09
XO1: C52.1 U13_P1.4 Y1.1 | length 277.2
  Layer 1 w6: Y1.1@1986.22,1582.68 1986.22,1724.41 2047.24,1785.43 U13_P1.4@2047.24,1834.65
XO2: U13_P2.4